# Altium PCB drive.PcbDoc
Units mm, origin at the board's own origin, x right, y up, seen from the top; angles counter-clockwise.
Board outline 29.81 x 30.08 mm, 2 copper layers (Top Layer, Bottom Layer); 56 components, 47 nets, 229 pads, 81 vias.
Unrouted connection lines stored in the file: 5.
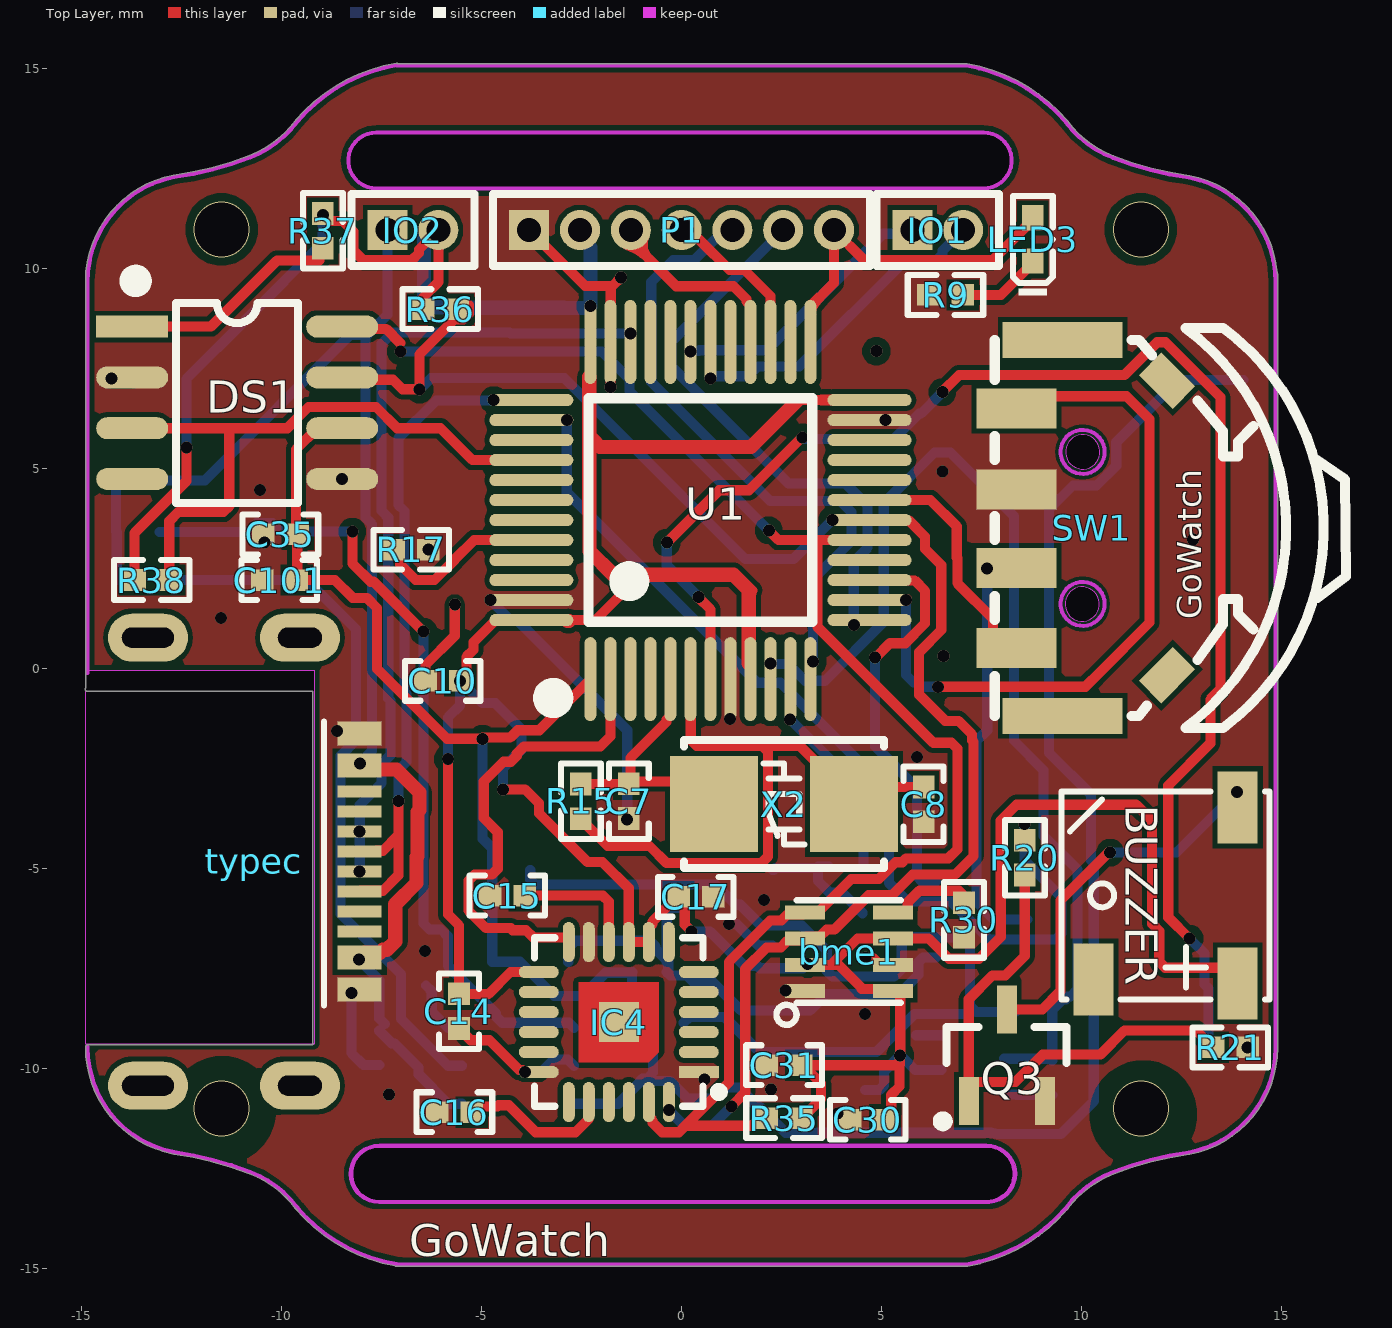
[diagram p0: Top Layer view]
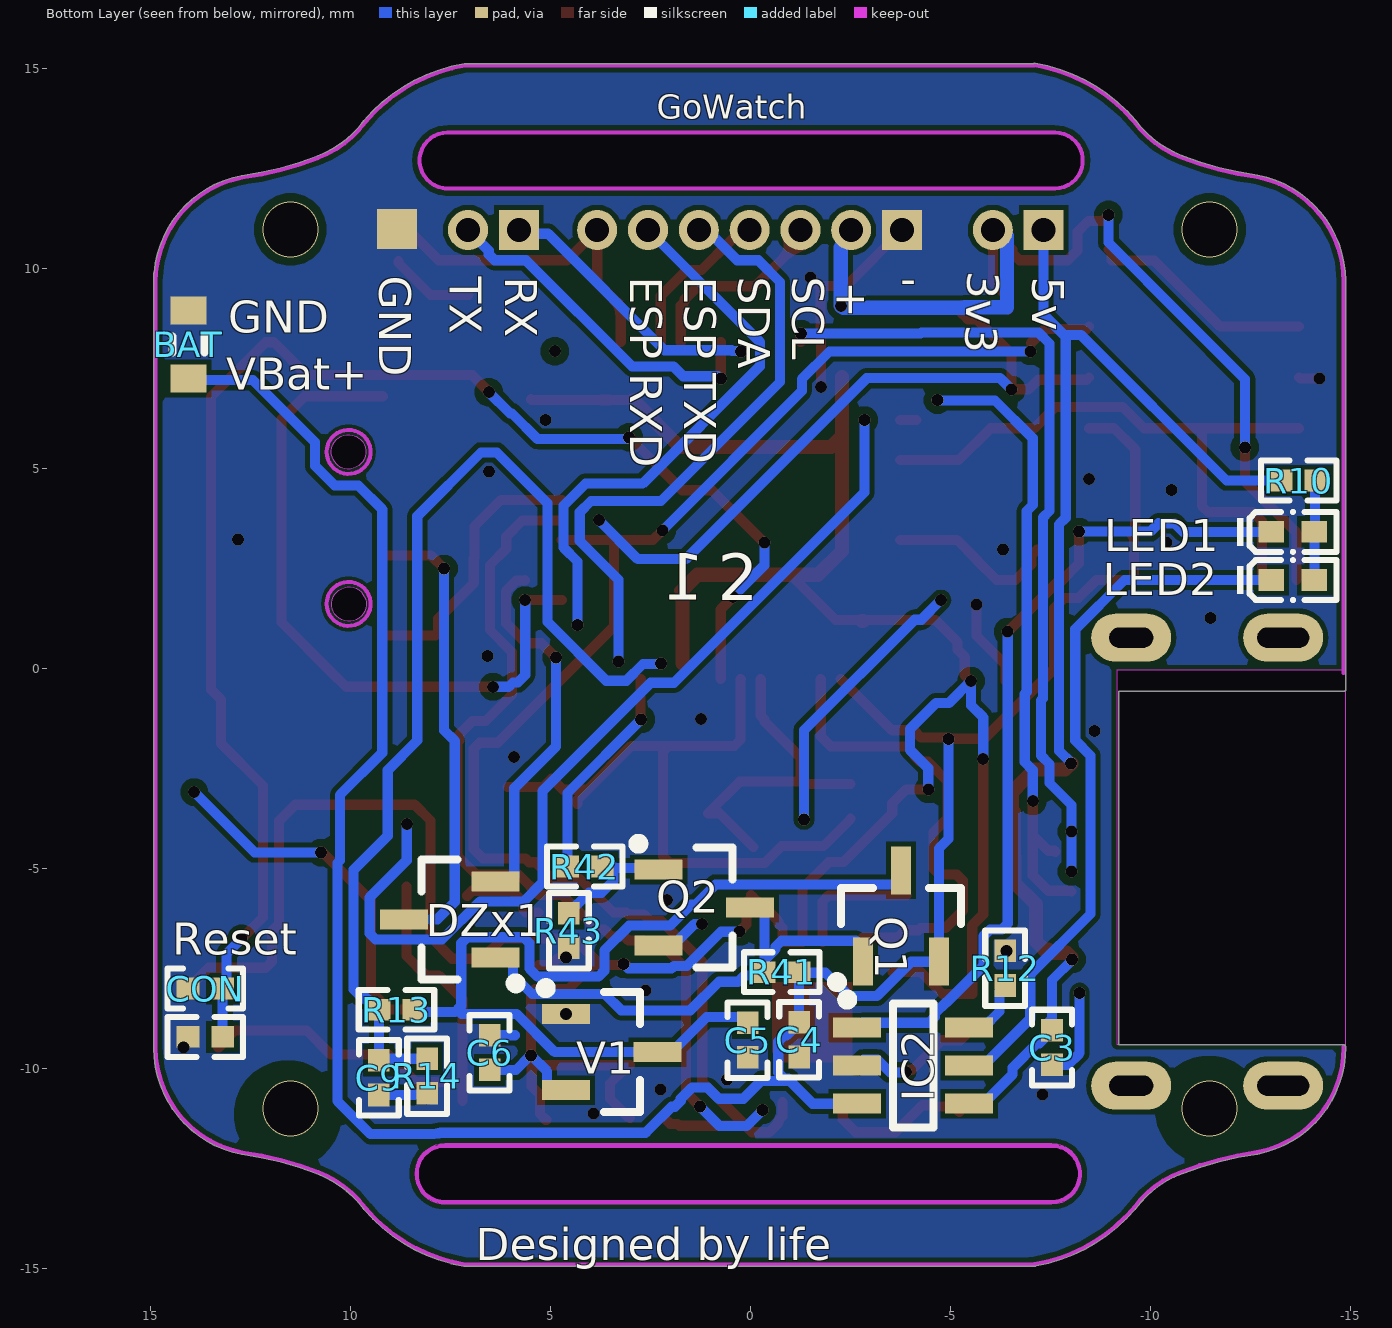
[diagram p1: Bottom Layer view, seen from below]

## Layer stack, top to bottom
Top Solder: solder mask 0.0102, Solder Resist, Dk 3.5
Top Layer: signal copper 0.0356
Dielectric 1: dielectric 0.32, FR-4, Dk 4.8
Bottom Layer: signal copper 0.0356
Bottom Solder: solder mask 0.0102, Solder Resist, Dk 3.5

## Board outline
-12.682,-12.128 cw(c-12.682,-12.128) -12.682,-12.128 cw(c-13.844,-20.451) -10.799,-12.619 ccw(c-10.78,-12.57) -10.797,-12.619 cw(c-11.691,-15.004) -9.637,-13.499 ccw(c-9.596,-13.47) -9.634,-13.503 cw(c-9.601,-13.475) -9.634,-13.502 -9.634,-13.503 ccw(c-6.425,-10.771) -7.147,-14.923 ccw(c-7.112,-14.888) -7.112,-14.938 7.132,-14.938 ccw(c7.132,-14.888) 7.157,-14.931 ccw(c6.445,-10.778) 9.649,-13.515 ccw(c9.619,-13.475) 9.659,-13.505 cw(c11.714,-15.009) 10.82,-12.625 cw(c10.828,-12.644) 10.821,-12.624 cw(c13.866,-20.456) 12.695,-12.135 ccw(c12.696,-12.085) 12.705,-12.134 ccw(c12.198,-9.472) 14.909,-9.472 ccw(c12.411,-9.471) 14.909,-9.454 14.909,9.652 ccw(c12.199,9.67) 14.909,9.67 ccw(c12.411,9.671) 14.909,9.688 14.909,9.872 ccw(c14.858,9.872) 14.899,9.902 ccw(c12.198,9.67) 12.705,12.332 ccw(c12.696,12.283) 12.702,12.333 ccw(c12.704,12.347) 12.703,12.333 12.702,12.333 cw(c13.864,20.656) 10.819,12.823 ccw(c10.805,12.788) 10.817,12.824 cw(c11.711,15.208) 9.657,13.704 ccw(c9.618,13.676) 9.654,13.707 ccw(c6.445,10.976) 7.147,15.131 ccw(c7.132,15.083) 7.132,15.133 -7.085,15.133 ccw(c-7.115,15.093) -7.123,15.142 ccw(c-6.428,10.986) -9.637,13.717 ccw(c-9.628,13.709) -9.637,13.717 ccw(c-9.599,13.684) -9.64,13.714 cw(c-11.694,15.218) -10.801,12.834 cw(c-10.815,12.87) -10.801,12.834 -10.802,12.833 cw(c-10.787,12.795) -10.801,12.834 -10.802,12.833 cw(c-13.847,20.666) -12.685,12.343 cw(c-12.689,12.367) -12.686,12.343 -12.685,12.343 ccw(c-12.679,12.292) -12.688,12.342 ccw(c-12.182,9.68) -14.892,9.705 ccw(c-14.842,9.702) -14.892,9.702 -14.892,9.698 cw(c-13.337,9.689) -14.892,9.705 -14.892,9.698 ccw(c-12.182,9.68) -14.892,9.662 -14.892,-0.482 ccw(c-14.848,-0.507) -14.848,-0.558 -9.215,-0.558 -9.215,-9.397 -14.838,-9.397 ccw(c-14.838,-9.447) -14.889,-9.447 ccw(c-12.178,-9.465) -12.685,-12.128 ccw(c-12.676,-12.078)
cut-out: -7.547,-13.372 cw(c-7.547,-12.622) -7.547,-11.872 7.604,-11.872 cw(c7.604,-11.922) 7.619,-11.874 cw(c7.634,-11.922) 7.634,-11.872 cw(c7.634,-12.622) 8.384,-12.622 cw(c7.634,-12.622) 7.714,-13.368 cw(c7.694,-13.322) 7.694,-13.372
cut-out: -7.62,12.013 cw(c-7.62,12.713) -7.62,13.413 7.531,13.413 7.561,13.413 cw(c7.561,12.713) 7.561,12.013 7.621,12.013
cut-out: -14.892,-9.377 -14.892,-0.037 -9.168,-0.037 -9.168,-9.377

## Design rules (kind name [scope] priority, off if disabled: settings)
Clearance [All] p1: gap=0.127 ignorepadtopadclearanceinfootprint=FALSE except(0.15: Arc-Arc Arc-Track Track-Track; 0.2: Arc-Via Track-Via SMDPad-Via THPad-Via Via-Fill Via-Poly Via-Region; 0.4: Via-Via)
PolygonConnect [All] p1: connectstyle=Direct reliefconductorwidth=0.254 reliefentries=4 polygonreliefangle="90 Angle" airgapwidth=0.254
RoutingVias [All] p1: holewidth=0.4 width=1 viastyle="Through Hole" minholewidth=0.3 minwidth=0.6 maxholewidth=0.711 maxwidth=1.27
SolderMaskExpansion [All] p1: expansion=0.102 istentingtop=FALSE
Width [All] p1: maxlimit=3 minlimit=0.127 preferedwidth=0.254 minimp=50.000000 maximp=50.000000 favimp=50.000000
30 further rules are at their usual default settings.

## Components (designator, comment, footprint, x,y, rotation, side; value= is the part's Value field where it differs from the comment)
BAT "0" R0603 14.04,8.11 r270 bottom
bme1 "BME280" BME280 5.333,-5.746 r180 top
BUZZER "Beep-5020" 5020BUZZER 12.11,-5.61 r0 top
C3 "105" C0402-min -7.55,-9.517 r90 bottom
C4 "105" C0402-min -1.23,-9.32 r90 bottom
C5 "104" C0402-min 0.06,-9.33 r90 bottom
C6 "104" C0402-min 6.51,-9.54 r270 bottom
C7 "20PF" C0402-min -1.309,-3.357 r90 top
C8 "20PF" C0402-min 6.06,-3.437 r90 top
C9 "104" C0402-min 9.28,-10.27 r90 bottom
C10 "104" C0402-min -6.01,-0.297 r0 top
C14 "103" C0402-min -5.555,-8.506 r270 top
C15 "104" C0402-min -4.4,-5.667 r0 top
C16 "222" C0402-min -5.72,-11.08 r0 top
C17 "104" C0402-min 0.42,-5.697 r180 top
C30 "104" C0402-min 4.61,-11.27 r0 top
C31 "475" C0402-min 2.52,-9.907 r0 top
C35 "104" C0402-min -10.07,3.363 r0 top
C101 "104" C0402-min -10.097,2.221 r0 top
CON "104" C0402-min 13.67,-7.99 r180 bottom
DS1 "DS3231-8PIN" SOP8_N -11.1,6.653 r0 top
DZx1 "BAT54C" SOT23-3N 7.51,-6.26 r90 bottom
IC2 "TP4057" SOT23-6N -4.08,-9.92 r270 bottom
IC4 "MPU6050" "QFN24 4x4_M" -1.56,-8.827 r90 top
IO1 "串口" MHDR1X2 5.78,10.973 r0 top
IO2 "5v与3.3v相联" MHDR1X2 -7.34,10.973 r0 top
LED1 "红色" LED0402 -13.415,3.427 r0 bottom
LED2 "绿色" LED0402 -13.415,2.223 r0 bottom
LED3 "RED" LED0402 8.79,10.58 r270 top
P1 "MHDR1X7" MHDR1X7 -3.8,10.973 r0 top locked
Q1 "AO3401" SOT23-3N -3.772,-6.177 r180 bottom
Q2 "9014" SOT23-3N 1.14,-5.97 r270 bottom
Q3 "SS8050" SOT23-3N 8.14,-9.657 r0 top
R9 "1K" R0402 6.66,9.35 r180 top
R10 "100k" R0402 -13.765,4.71 r0 bottom
R12 "10K" R0402 -6.38,-7.43 r270 bottom
R13 "10K" R0402 8.89,-8.52 r180 bottom
R14 "10K" R0402 8.07,-10.23 r90 bottom
R15 "1M" R0402 -2.51,-3.36 r90 top
R17 "10K" R0402 -6.805,2.98 r0 top
R20 "1K" R0402 8.59,-4.667 r270 top
R21 "10K" R0402 13.78,-9.46 r180 top
R30 "10K" R0402 7.07,-6.327 r90 top
R35 "4.7K" R0402 2.52,-11.23 r0 top
R36 "4.7K" R0402 -5.97,8.993 r180 top
R37 "4.7K" R0402 -8.96,10.901 r90 top
R38 "4.7K" R0402 -13.18,2.223 r180 top
R41 "220K" R0402 -0.74,-7.58 r180 bottom
R42 "4.7K" R0402 4.181,-4.94 r180 bottom
R43 "220K" R0402 4.53,-6.49 r270 bottom
Reset "0" R0402 13.67,-9.2 r180 bottom
SW1 "TM-2024A" LUNBO-min-out 11.5,3.723 r270 top locked
typec "typec-16p-new" type-c-16p-new -11.627,-4.944 r270 top locked
U1 "STM32F103C8" "LQFP48 7X7_M" 0.481,3.973 r0 top locked
V1 "XC6206P332MR" SOT23-3N 3.457,-9.58 r270 bottom
X2 "8Mhz" "OSC 5032-2P" 2.57,-3.377 r180 top

## Footprints (in the part's own frame and the unit in brackets; to place one, negate y for a bottom-side part, rotate by r counter-clockwise, add the part's x,y. Pads: shape width x height; smd on the part's side, far side on the other; paste and mask are expansions set on the pad)
5020BUZZER [mm]
  rect 1x1.8 smd: 1(1.8,-2.25) 2(1.8,2.152) 3(-1.8,-2.151)
  silkscreen extent -2.6,-2.65 2.6,2.55, body extent -2.6,-2.7 2.6,2.5, height 2
BME280 [mm]
  rect 1x0.351 smd: 1(2.243,2.301) 2(2.243,1.651) 3(2.243,0.991) 4(2.243,0.341) 5(0.043,0.341) 6(0.043,0.991) 7(0.043,1.651) 8(0.043,2.301)
  silkscreen extent -0.16,0.04 2.95,3.15, body extent -0.15,0.05 2.35,2.55, height 0.93
C0402-min [mm]
  rect 0.566x0.54 smd paste-100 mask+0.051: 1(-0.381,0) 2(0.485,0)
  silkscreen extent -0.89,-0.5 1,0.5
LED0402 [mm]
  rect 0.636x0.54 smd paste-100 mask+0.051: 1(-0.695,0) 2(0.381,0)
  silkscreen extent -1.24,-0.54 1.23,0.54
"LQFP48 7X7_M" [mm]
  oval 0.3x2.1 smd: 1(-2.75,-4.227) 2(-2.25,-4.227) 3(-1.75,-4.227) 4(-1.25,-4.227) 5(-0.75,-4.227) 6(-0.25,-4.227) 7(0.25,-4.227) 8(0.75,-4.227) 9(1.25,-4.227) 10(1.75,-4.227) 11(2.25,-4.227) 12(2.75,-4.227) 25(2.75,4.202) 26(2.25,4.202) 27(1.75,4.202) 28(1.25,4.202) 29(0.75,4.202) 30(0.25,4.202) 31(-0.25,4.202) 32(-0.75,4.202) 33(-1.25,4.202) 34(-1.75,4.202) 35(-2.25,4.202) 36(-2.75,4.202)
  oval 2.1x0.3 smd: 13(4.227,-2.75) 14(4.227,-2.25) 15(4.227,-1.75) 16(4.227,-1.25) 17(4.227,-0.75) 18(4.227,-0.25) 19(4.227,0.25) 20(4.227,0.75) 21(4.227,1.25) 22(4.227,1.75) 23(4.227,2.25) 24(4.227,2.75) 37(-4.227,2.75) 38(-4.227,2.25) 39(-4.227,1.75) 40(-4.227,1.25) 41(-4.227,0.75) 42(-4.227,0.25) 43(-4.227,-0.25) 44(-4.227,-0.75) 45(-4.227,-1.25) 46(-4.227,-1.75) 47(-4.227,-2.25) 48(-4.227,-2.75)
  silkscreen extent -3.93,-4.95 2.79,2.79, body extent -4.5,-4.5 4.5,4.5, height 1.45
LUNBO-min-out [mm]
  rect 1x2 smd: 1(-2.788,-3.115) 2(3.197,-3.115) 3(-0.762,-3.115) 4(1.197,-3.115)
  rect 0.9x3 smd: 5(-4.503,-1.964) 6(4.897,-1.964)
  rect 1.2x0.8 smd rot 45: 7(-3.483,0.646)
  rect 1.2x0.8 smd rot 135: 8(3.877,0.646)
  Keep-Out Layer board cut-out: -1.274,-1.43 -1.348,-1.22 -1.517,-1.076 -1.736,-1.035 -1.945,-1.109 -2.09,-1.278 -2.13,-1.497 -2.13,-1.497 -2.056,-1.706 -1.887,-1.851 -1.669,-1.891 -1.459,-1.817 -1.315,-1.648 -1.274,-1.43
  Keep-Out Layer board cut-out: 2.529,-1.44 2.455,-1.23 2.286,-1.086 2.068,-1.045 1.858,-1.119 1.714,-1.288 1.673,-1.507 1.673,-1.507 1.747,-1.717 1.916,-1.861 2.135,-1.902 2.344,-1.827 2.489,-1.658 2.529,-1.44
  Keep-Out Layer circle w0.025: c2.097,-1.464 r0.55
  Keep-Out Layer circle w0.025: c-1.703,-1.464 r0.55
  Keep-Out Layer circle w0.1: c2.097,-1.464 r0.55
  Keep-Out Layer circle w0.1: c-1.703,-1.464 r0.55
  silkscreen extent -4.8,-3.66 5.2,5.12
MHDR1X2 [mm] "Connector; Header; 2 Position"
  rect 1x1 hole 0.6: 1(0,0)
  round 1 hole 0.6: 2(1.27,0)
  silkscreen extent -0.9,-0.9 2.17,0.9
MHDR1X7 [mm] "Connector; Header; 7 Position"
  rect 1x1 hole 0.6: 1(0,0)
  round 1 hole 0.6: 2(1.27,0) 3(2.54,0) 4(3.81,0) 5(5.08,0) 6(6.35,0) 7(7.62,0)
  silkscreen extent -0.9,-0.9 8.52,0.9
"OSC 5032-2P" [mm]
  rect 2.2x2.4 smd: 1(-1.75,0) 2(1.75,0)
  silkscreen extent -2.5,-1.6 2.5,1.6, body extent -2.5,-1.6 2.5,1.6, height 0.86
"QFN24 4x4_M" [mm]
  rect 0.3x1 smd: 1(-1.25,-2)
  oval 0.3x1 smd: 2(-0.75,-2) 3(-0.25,-2) 4(0.25,-2) 5(0.75,-2) 6(1.25,-2) 13(1.25,2) 14(0.75,2) 15(0.25,2) 16(-0.25,2) 17(-0.75,2) 18(-1.25,2)
  oval 1x0.3 smd: 7(2,-1.25) 8(2,-0.75) 9(2,-0.25) 10(2,0.25) 11(2,0.75) 12(2,1.25) 19(-2,1.25) 20(-2,0.75) 21(-2,0.25) 22(-2,-0.25) 23(-2,-0.75) 24(-2,-1.25)
  rect 1x1 smd: 25(0,0)
  Top Layer region: -1,1 1,1 1,-1 -0.75,-1 -1,-0.75
  silkscreen extent -2.11,-2.6 2.11,2.11, body extent -2.01,-2.01 2.01,2.01, height 0.95
R0402 [mm]
  rect 0.566x0.54 smd paste-100 mask+0.051: 1(-0.381,0) 2(0.485,0)
  silkscreen extent -0.89,-0.5 1,0.5
R0603 [mm] "Chip Resistor, 2-Leads, Body 1.60x0.80mm, IPC Medium Density"
  rect 0.7x0.9 smd: 1(-0.85,0) 2(0.85,0)
  silkscreen extent -0.2,-0.4 0.2,0.4, body extent -0.78,-0.43 0.77,0.42, height 0.45
SOP8_N [mm]
  rect 1.8x0.55 smd: 1(-2.625,1.905)
  oval 1.8x0.55 smd: 2(-2.625,0.635) 3(-2.625,-0.635) 4(-2.625,-1.905) 5(2.625,-1.905) 6(2.625,-0.635) 7(2.625,0.635) 8(2.625,1.905)
  silkscreen extent -2.69,-2.5 1.52,3.2, body extent -3,-2.5 3,2.5, height 1.9
SOT23-3N [mm]
  rect 0.5x1.2 smd: 1(-0.95,-1.143) 2(0.95,-1.143) 3(0,1.143)
  silkscreen extent -1.72,-1.78 1.5,0.7, body extent -1.5,-1.2 1.5,1.2, height 1.05
SOT23-6N [mm]
  rect 0.5x1.2 smd: 1(-0.95,-1.4) 2(0,-1.4) 3(0.95,-1.4) 4(0.95,1.4) 5(0,1.4) 6(-0.95,1.4)
  silkscreen extent -1.78,-1.78 1.55,0.51, body extent -1.5,-1.4 1.5,1.4, height 1.15
type-c-16p-new [mm]
  rect 0.6x1.1 smd paste-100 mask+0.05: 1(-3.327,3.59) 2(-2.527,3.59) 11(2.273,3.59) 12(3.073,3.59)
  rect 0.3x1.1 smd paste-100 mask+0.05: 3(-1.877,3.59) 4(-1.377,3.59) 5(-0.877,3.59) 6(-0.377,3.59) 7(0.123,3.59) 8(0.623,3.59) 9(1.123,3.59) 10(1.623,3.59)
  oval 1.2x2 hole 0.5 slot 1.1 at 90 deg: 13(-5.727,2.097) 14(5.473,2.097)
  oval 1.2x2 hole 0.5 slot 1.3 at 90 deg: 15(-5.727,-1.703) 16(5.473,-1.703)
  silkscreen extent -3.63,2.7 3.47,2.7, body extent -5.83,-3.5 5.57,3.05, height 1.59

## Part data
BAT R9 R10 R12 R13 R14 R15 R17 R20 R21 R30 R35 R36 R37 R38 R41 R42 R43 Reset: library part R, "贴片电阻", BOM名称=贴片电阻, 学习资源=www.ooocke.com, 版权归属=源创客
bme1: "气压，湿度，温度传感器"
BUZZER: "贴片蜂鸣器5020最小封装"
C3 C4 C5 C6 C7 C8 C9 C10 C14 C15 C16 C17 C30 C31 C35 C101 CON: library part C, "无极性贴片电容", BOM名称=无极性贴片电容, 学习资源=www.ooocke.com, 版权归属=源创客
  C5 C6 C7 C8 C9 C10 C30 C31 C101 CON: 材质=X7R
DZx1: "双肖特基，共阴极"
IC2: library part TP4057/4059, "500mA/600mA锂电池充电管理IC"
IC4: "陀螺仪"
IO1 IO2: library part "Header 2", "Header, 2-Pin", LatestRevisionDate=17-Jul-2002, LatestRevisionNote="Re-released for DXP Platform.", Publisher="Altium Limited"
LED1 LED2 LED3: library part LED-SMD, "贴片LED", BOM名称=贴片LED, 学习资源=www.ooocke.com, 版权归属=源创客
P1: "Header, 7-Pin", LatestRevisionDate=17-Jul-2002, LatestRevisionNote="Re-released for DXP Platform.", Publisher="Altium Limited"
Q1: library part SI2301, "P沟道场效应管", BOM名称=P沟道场效应管, 学习资源=www.ooocke.com, 版权归属=源创客
Q2: library part 9014-SMD, "低噪放大-NPN型", BOM名称=低噪放大-NPN型, 学习资源=www.ooocke.com, 属性="50V 0.1A 0.4W 150MHZ", 版权归属=源创客
Q3: library part 8050-SMD, "高频放大-NPN型", BOM名称=高频放大-NPN型, 学习资源=www.ooocke.com, 属性="40V 1.5A 1W 100MHZ", 版权归属=源创客
SW1: library part lunbo-min, JLCPCB Part Class="Extended Part", LCSC Part Name=四脚两档拨轮开关TM-2024A, Manufacturer="XKB Connection(中国星坤)", Add into BOM=yes, Convert to PCB=yes, Datasheet=https://atta.szlcsc.com/upload/public/pdf/source/20211011/7A4DB3DC37E7D5823B6D92C66ED3191E.pdf, Device=TM-2024A, Manufacturer Part=TM-2024A, Supplier=LCSC, Supplier Footprint=SMD, Supplier Part=C561480, Symbol=TM-2024A
U1: "Flaah:64/RAM:20/IO:36", BOM名称=32位STM单片机, 学习资源=www.ooocke.com, 版权归属=源创客
V1: "低压差线性稳压芯片", BOM名称=低压差线性稳压芯片, 学习资源=www.ooocke.com, 版权归属=源创客
X2: library part XTAL-2P, "2脚无源脚晶振", BOM名称=2脚无源脚晶振, 学习资源=www.ooocke.com, 版权归属=源创客, 负载电容=CL20pF

## Free pads (board coordinates)
  rect 1x1 smd far side: 2(8.82,11)

## Via types
v1: diameter 0.3, hole 0.3, Top Layer to Bottom Layer, 77 vias
v2: diameter 1.4, hole 1.35, Top Layer to Bottom Layer, 4 vias

## Nets (pads, with @x,y where several pads share a name; then routed paths per layer and width w, separated by ;. In a path a pad name is that pad's centre, name@x,y a point inside that pad or via, vN(x,y) a via of type N, cw(c..) or ccw(c..) an arc to the next point about the centre after c; other vN are vias at no path point)
+3.3V: bme1.2 bme1.6 bme1.8 BUZZER.1 C6.2 C10.2 C14.1 C17.2 C30.2 C31.2 IC4.8 IC4.9 IC4.13 IO2.2 P1.2 R35.2 R36.2 R37.2 R38.2 U1.9 U1.24 U1.36 U1.48 V1.2 | length 106.8
  Top Layer w0.254: R38.2 -13.665,3.401 -12.37,4.695 v1(-12.37,5.541) ; v1(-8.96,11.355) -8.96,11.342 -8.817,11.199 -8.459,11.199 -8.191,10.931 -8.191,10.464 -7.945,10.219 -6.735,10.219 -6.555,10.399 -6.555,10.488 IO2.2 ; R36.2 -6.455,9.285 -6.07,9.67 IO2.2 ; IO2.2@-6.07,11.002 IO2.2 ; v1(-5.83,-2.257) -5.83,-6.135 -5.555,-6.41 C14.1 -4.814,-8.125 -4.266,-7.577 IC4.13 ; v1(-5.525,-0.297) -5.513,-0.297 -5.37,-0.154 -5.37,0.302 -5.191,0.481 -5.191,0.666 -4.655,1.202 -4.634,1.223 U1.48 -2.834,1.223 -2.811,1.246 U1.48@-2.806,1.246 ; v1(-4.46,-3.01) -3.902,-3.01 -3.556,-3.356 -3.556,-3.607 -2.334,-4.829 -1.965,-4.829 -1.31,-5.484 IC4.9 IC4.8 -0.81,-6.465 -0.714,-6.369 -0.714,-6.31 -0.244,-5.84 -0.208,-5.84 -0.023,-5.655 C17.2 ; U1.48@-2.733,1.223 -2.14,1.223 -1.01,2.353 ; C17.2@-0.023,-5.726 0.091,-5.84 0.091,-6.389 0.26,-6.558 v1(0.26,-6.57) ; 1.7,1.963 1.777,1.963 ; 2.921,6.723 U1.24 5.459,6.723 U1.24@5.48,6.744 ; R35.2 3.017,-11.23 3.5,-10.748 3.5,-10.364 3.185,-10.05 3.148,-10.05 C31.2 5.451,-9.907 5.457,-9.901 ; v1(3.164,-7.379) 3.109,-7.379 bme1.2 3.797,-7.397 3.935,-7.397 4.526,-7.989 ; 3.797,-7.349 4.409,-6.737 bme1.6 6.187,-6.737 6.695,-7.245 7.445,-7.245 7.989,-6.701 7.989,-3.789 8.384,-3.394 11.374,-3.394 11.773,-3.793 11.773,-6.374 11.953,-6.555 11.953,-7.321 12.102,-7.47 13.538,-7.47 13.91,-7.843 BUZZER.1 ; 4.516,-7.999 bme1.8@5.242,-7.999 ; C30.2 5.107,-11.27 5.25,-11.127 5.25,-10.647 5.457,-10.441 5.457,-9.901 ; bme1.8 bme1.8@5.242,-7.999 ; bme1.8@5.242,-7.999 5.378,-7.999 5.475,-8.096 v1(5.475,-9.659) 5.466,-9.668 5.466,-9.892 5.457,-9.901
  Top Layer w0.354: U1.48@-2.84,1.196 U1.48@-2.802,1.196 ; -2.3,6.992 -2.3,3.903 -2.295,3.898 -2.295,2.949 -1.699,2.353 -1.01,2.353 1.31,2.353 1.7,1.963 ; -2.3,7.027 -2.3,7.297 U1.36@-2.296,7.302 ; -2.207,5.733 -2.026,5.551 1.75,5.551 2.921,6.723 ; U1.9@1.69,0.143 1.69,1.893 1.7,1.903
  Bottom Layer w0.254: v1(-12.37,5.541) -12.37,7.249 -10.851,8.769 -8.96,10.66 v1(-8.96,11.355) ; v1(-5.83,-2.257) -5.83,-1.211 -5.525,-0.906 v1(-5.525,-0.297) -4.969,-0.854 -4.647,-0.854 -3.995,-1.506 -3.995,-2.019 -4.455,-2.479 -4.455,-3.005 v1(-4.46,-3.01) ; v1(0.26,-6.57) 0.724,-6.57 1.578,-7.424 1.901,-7.424 1.96,-7.483 3.047,-7.483 3.152,-7.379 v1(3.164,-7.379) ; V1.2 4.95,-10.53 5.073,-10.407 5.073,-10.061 v1(5.475,-9.659) ; v1@5.475,-9.665 5.494,-9.665 5.853,-10.025 C6.2
  Bottom Layer w0.354: IO2.2@-6.428,10.821 -6.428,9.041 -5.378,9.041 -5.367,9.03 -2.944,9.03 -2.934,9.02 -2.334,9.02 -2.29,9.064 v1@-2.271,9.064 ; P1.2 -2.53,10.798 -2.269,10.537 v1@-2.269,9.085
  other v1: -2.269,9.073
+5: C3.2 IC2.4 IO2.1 R10.2 typec.2 typec.11 | length 32.3
  Top Layer w0.354: typec.11 -7.913,-7.095 -7.529,-7.095 -7.456,-7.022 -7.361,-7.022 -7.15,-6.811 -7.15,-5.882 -6.615,-5.347 -6.615,-4.705 -6.593,-4.683 -6.593,-3.575 -6.542,-3.524 -6.542,-3.088 -6.851,-2.779 -7.119,-2.511 -7.878,-2.511 v1(-8.03,-2.36)
  Bottom Layer w0.254: R10.2@-13.275,4.71 -11.912,4.71 -8.27,8.352 -7.843,8.352 ; v1(-8.052,-7.263) -8.052,-7.275 -7.55,-7.777 -7.55,-8.74 C3.2@-7.41,-8.88 ; v1(-8.03,-2.36) -8.03,-2.348 -7.726,-2.044 -7.726,3.614 -7.892,3.78 -7.892,8.303 -7.843,8.352 ; C3.2@-7.55,-9.045 -7.234,-9.361 -7.175,-9.361 -6.564,-9.972 -6.564,-10.136 -5.83,-10.87 IC2.4 ; IO2.1@-7.34,10.913 -7.34,8.855 -7.843,8.352
ADC: C9.2 R13.1 R14.2 U1.10 | length 26.8
  Bottom Layer w0.254: v1(2.231,0.132) 2.24,0.124 2.678,0.124 3.095,-0.294 3.595,-0.294 5.064,1.176 5.064,4.142 6.332,5.41 6.728,5.41 8.319,3.818 8.319,-1.789 9.059,-2.529 9.059,-4.169 9.911,-5.021 9.911,-8.009 9.731,-8.189 9.622,-8.189 9.622,-8.262 9.542,-8.262 9.284,-8.52 R13.1 9.275,-8.524 9.275,-9.781 C9.2 ; R14.2 C9.2@9.24,-9.745
beep: R20.1 U1.38 | length 23.7
  Top Layer w0.254: U1.38@-4.16,6.223 U1.38
  Bottom Layer w0.254: v1(-2.86,6.223) -2.86,4.418 1.903,-0.345 2.481,-0.345 5.191,-3.055 5.191,-5.344 5.665,-5.817 6.755,-5.817 7.702,-6.764 9.358,-6.764 9.507,-6.615 9.507,-5.712 8.582,-4.787 v1(8.582,-3.871)
BOOT0: R17.1 U1.44 | length 4.3
  Top Layer w0.254: R17.1 -7.173,2.98 -7.03,2.837 -7.03,2.614 -6.639,2.223 -6.165,2.223 -5.671,2.717 -5.671,2.729 -5.177,3.223 U1.44
BOOT1: U1.20
ESP_RXD: P1.6 U1.13 | length 14
  Bottom Layer w0.254: P1.6 -0.246,8.177 -0.246,7.564 2.685,4.633 4.115,4.633 4.66,4.087 4.66,3.033 4.314,2.687 v1(4.314,1.101)
  other v1: 4.314,1.101
ESP_TXD: P1.5 U1.12 | length 15.6
  Bottom Layer w0.254: P1.5 1.078,10.973 0.811,10.706 0.809,10.706 0.322,10.219 -0.204,10.219 -0.75,9.673 -0.75,7.173 2.224,4.199 3.977,4.199 4.256,3.92 4.256,3.2 3.293,2.236 v1(3.293,0.183)
GND: BAT.1 bme1.1 bme1.7 C3.1 C4.1 C5.1 C6.1 C7.1 C8.1 C9.1 C10.1 C14.2 C15.1 C16.1 C17.1 C30.1 C31.1 C35.1 C101.1 CON.1 DS1.2 DS1.5 IC2.2 IC4.1 IC4.11 IC4.18 P1.1 pad.2 Q2.2 Q3.2 R9.2 R12.1 R14.1 R17.2 R21.1 R30.1 R43.2 Reset.1 SW1.3 typec.1 typec.12 U1.8 U1.23 U1.35 U1.47 V1.1 | length 25.4
  Top Layer w0.254: v1(-14.24,7.26) -13.753,7.26 DS1.2 ; C10.1 -6.391,0.099 -5.66,0.83 v1(-5.66,1.61) ; C14.2 -5.263,-9.283 -4.793,-9.283 -4.051,-10.025 -3.974,-10.025 -3.931,-10.068 -3.919,-10.056 IC4.18@-3.9,-10.056 ; v1(-3.9,-10.077) IC4.18 ; P1.1 -2.402,9.575 -1.718,9.575 ; v1(-1.773,7.051) -1.771,7.053 -1.771,8.172 -1.76,8.183 -1.76,9.533 -1.718,9.575 ; v1(-1.51,9.783) -1.718,9.575 ; v1(4.606,-7.215) 4.614,-7.224 4.792,-7.224 4.965,-7.397 bme1.7
  Bottom Layer w0.254: v1(-8.24,-8.097) -8.24,-9.604 -7.946,-9.898 C3.1 ; v1(-4.77,1.723) -4.279,1.232 -4.115,1.232 -1.35,-1.533 v1(-1.35,-3.767) ; v1(-3.9,-10.077) -3.888,-10.077 -3.876,-10.088 -3.507,-10.088 -3.184,-9.766 -2.834,-9.766 IC2.2 ; v1(1.199,-6.371) 1.208,-6.38 1.393,-6.38 1.933,-6.92 Q2.2 ; 5.872,-9.159 C6.1 ; R14.1 8.1,-10.641 8.375,-10.641 8.385,-10.651 C9.1
  other v1: 3.909,-11.118 -7.31,-10.637 2.24,-10.51 0.582,-10.27 14.161,-9.46 4.6,-8.63 2.61,-8.036 -6.406,-7.057 2.07,-5.78 5.9,-2.197 -8.607,-1.557 1.221,-1.251 6.56,0.323 -11.51,1.27 -6.32,2.98 -10.415,3.165 12.796,3.241 -10.536,4.473 -8.475,4.748 6.53,4.933 5.11,6.223
INT: DS1.3 R38.1 U1.40 | length 15.8
  Top Layer w0.254: DS1.3 -11.3,6.018 ; R38.1 -12.799,3.696 -12.573,3.922 -11.449,3.922 -11.3,4.071 -11.3,6.018 ; U1.40 -5.22,5.223 -6.015,6.018 -7.102,6.018 -7.631,6.547 -9.319,6.547 -9.848,6.018 -11.3,6.018
IO1: IO1.2 U1.30 | length 8.8
  Top Layer w0.254: v1(0.731,7.262) U1.30
  Bottom Layer w0.254: v1(0.731,7.262) 0.743,7.262 0.798,7.316 1.673,7.316 1.922,7.565 2.953,7.565 5.607,10.219 6.385,10.219 6.534,10.368 6.534,10.453 6.992,10.911 IO1.2@6.992,10.944
IO2: IO1.1 U1.31 | length 6.8
  Bottom Layer w0.254: v1(0.231,7.938) 0.24,7.947 0.443,7.947 0.464,7.969 2.138,7.969 5.048,10.879 5.686,10.879 IO1.1
IO3: U1.32
IO4: U1.33
MPU6050_INT: IC4.12 U1.2 | length 11.9
  Top Layer w0.254: IC4.12 -2.81,-6.733 -2.831,-6.711 -3.7,-6.711 -3.88,-6.531 -4.21,-6.531 -4.261,-6.48 -4.88,-6.48 -5.318,-6.042 -5.318,-5.292 -5.169,-5.143 -4.735,-5.143 -4.586,-4.994 -4.586,-4.079 -4.937,-3.728 -4.937,-2.812 -4.444,-2.319 -4.258,-2.319 -4.109,-2.171 -4.109,-2.122 -3.922,-1.935 -2.019,-1.935 -1.769,-1.685 U1.2
Netbme1_5: bme1.5 R30.2 | length 2.2
  Top Layer w0.254: bme1.5 5.615,-6.087 5.663,-6.038 5.663,-5.836 5.954,-5.545 6.945,-5.545 R30.2@7.07,-5.67
NetBUZZER_2: BUZZER.2 Q3.3 | length 9.3
  Top Layer w0.254: Q3.3 9.026,-8.514 9.48,-8.06 9.48,-5.79 v1@10.69,-4.58
  Bottom Layer w0.254: v1(10.726,-4.59) 12.384,-4.59 v1(13.896,-3.078)
NetC15_2: C15.2 IC4.10 | length 3.2
  Top Layer w0.254: C15.2 -1.959,-5.667 -1.81,-5.816 IC4.10
NetC16_2: C16.2 IC4.20 | length 3.8
  Top Layer w0.254: C16.2 -5.092,-10.937 -4.592,-10.937 -4.562,-10.907 -4.308,-10.907 -3.634,-11.581 -2.643,-11.581 -2.319,-11.257 -2.319,-10.836 IC4.20
NetDS1_1: DS1.1 R37.1 | length 5.7
  Top Layer w0.254: DS1.1 -11.758,8.558 -10.107,10.209 -9.04,10.209 -9.04,10.409 R37.1@-8.96,10.489
NetDZx1_1: DZx1.1 Q1.1 Q2.3 R41.1 | length 12.9
  Bottom Layer w0.254: Q1.1 -2.822,-6.97 -2.648,-6.796 -0.787,-6.796 -0.638,-6.945 -0.638,-7.004 -0.322,-7.32 -0.322,-7.543 R41.1 -0.277,-7.662 0.142,-7.662 0.3,-7.82 0.775,-7.82 1.492,-8.536 3.223,-8.536 3.634,-8.126 5.451,-8.126 5.927,-7.65 5.927,-7.333 6.05,-7.21 DZx1.1 ; R41.1@-0.359,-7.32 -0.359,-6.093 -0.236,-5.97 Q2.3
NetIC2_1: IC2.1 LED1.2 | length 20.9
  Top Layer w0.254: v1(-8.22,3.433) -8.22,2.637 -7.764,2.181 -7.689,2.181 v1(-6.441,0.933)
  Bottom Layer w0.254: LED1.2 -10.827,3.427 -10.612,3.642 -10.217,3.642 -10.008,3.433 v1@-8.232,3.433 ; v1(-6.441,0.933) -6.441,-6.363 -6.292,-6.512 -6.005,-6.512 -5.833,-6.684 -5.833,-7.418 -4.931,-8.32 -4.921,-8.32 -4.626,-8.615 -4.626,-8.698 -4.477,-8.847 -2.803,-8.847 IC2.1
NetIC2_5: IC2.5 LED2.2 | length 17.9
  Bottom Layer w0.254: LED2.2 -9.362,2.223 -8.13,0.991 -8.13,-1.786 -8.513,-2.17 -8.513,-6.127 -7.006,-7.634 -7.006,-8.744 -5.83,-9.92 IC2.5
NetIC2_6: IC2.6 R12.2 | length 1.6
  Bottom Layer w0.254: R12.2 -6.237,-8.058 -6.237,-8.563 -5.83,-8.97 IC2.6
NetLED1_1: LED1.1 LED2.1 R10.1 | length 2.5
  Bottom Layer w0.254: R10.1@-14.141,4.71 -14.126,4.695 -14.126,3.442 LED1.1 LED2.1
NetLED3_2: LED3.2 R9.1 | length 2.1
  Top Layer w0.254: R9.1 7.989,9.35 8.79,10.151 LED3.2
NetQ2_1: Q2.1 R42.2 R43.1 | length 3.2
  Bottom Layer w0.254: Q2.1 2.313,-5.02 2.353,-4.98 R42.2@3.42,-4.98 ; R42.2 3.42,-4.94 3.42,-5.299 3.714,-5.594 4.028,-5.594 4.53,-6.096 R43.1
NetQ3_1: Q3.1 R20.2 R21.2 | length 13
  Top Layer w0.254: Q3.1 Q3.1@7.19,-10.45 ; 8.59,-5.444 8.59,-7.178 8.108,-7.66 7.785,-7.66 7.19,-8.255 7.19,-10.327 Q3.1@7.19,-10.45 ; R21.2 13.283,-9.46 13.14,-9.317 13.14,-9.304 12.875,-9.04 11.08,-9.04 10.478,-9.641 9.039,-9.641 8.354,-10.327 7.313,-10.327 Q3.1@7.19,-10.45
NRST: CON.2 Reset.2 U1.7 | length 37.3
  Top Layer w0.254: v1(-0.359,3.157) 0.953,4.469 1.696,4.469 v1@3,5.773 ; v1(0.43,1.803) 0.43,1.791 0.731,1.49 U1.7 ; v1(6.53,6.92) 6.53,6.932 6.944,7.347 11.079,7.347 11.9,8.167 12.11,8.167 13.48,6.797 13.48,-0.51 13.23,-0.76 13.23,-1.86 12.177,-2.913 12.177,-6.207 v1(12.71,-6.74)
  Bottom Layer w0.254: v1(-0.359,3.157) -0.359,2.592 v1(0.43,1.803) ; v1(3.029,5.787) 3.042,5.787 3.083,5.746 5.308,5.746 5.949,6.388 5.998,6.388 v1(6.53,6.92) ; v1(12.71,-6.74) 13.085,-7.116 13.085,-7.89 CON.2 Reset.2
OSC32_IN: U1.3
OSC32_OUT: U1.4
OSC_IN: C7.2 R15.2 U1.5 X2.2 | length 8.3
  Top Layer w0.254: R15.2 -2.508,-2.874 -1.323,-2.874 -1.266,-2.817 -1.266,-2.223 -0.365,-1.321 -0.365,-1.282 -0.365,-1.262 -0.269,-1.166 U1.5 ; C7.2@-1.166,-2.817 0.26,-2.817 1.05,-3.607 0.762,-3.607 X2.2@-0.08,-4.45
OSC_OUT: C8.2 R15.1 U1.6 X2.1 | length 16.6
  Top Layer w0.254: R15.1 -2.51,-3.754 -1.839,-4.425 -0.791,-4.425 -0.362,-4.854 2.002,-4.854 2.174,-4.682 2.174,-2.072 2.025,-1.923 ; U1.6 0.24,-0.263 0.24,-1.774 0.389,-1.923 2.025,-1.923 ; X2.1 4.32,-3.277 X2.1@4.064,-3.021 ; C8.2 5.175,-2.952 4.96,-2.737 4.676,-3.021 X2.1@4.064,-3.021 ; 2.025,-1.923 2.966,-1.923 X2.1@4.064,-3.021
PB12: LED3.1 P1.7 U1.25 | length 8.8
  Top Layer w0.254: U1.25 3.231,9.062 3.82,9.651 P1.7 4.574,10.219 7.782,10.219 8.79,11.227 LED3.1
PB14: P1.4 U1.27 | length 3.9
  Top Layer w0.254: P1.4@0.212,10.973 0.479,10.706 0.481,10.706 1.214,9.973 1.583,9.973 2.231,9.325 U1.27
PB15: P1.3 U1.28 | length 5
  Top Layer w0.254: P1.3@-1.53,10.973 -0.126,9.569 1.308,9.569 1.635,9.242 1.635,9.183 1.731,9.087 U1.28
PWR_ON: R42.1 U1.11 | length 5.4
  Top Layer w0.254: U1.11 2.74,-0.263 U1.11@2.74,-1.234
  Bottom Layer w0.254: v1(2.721,-1.259) 4.562,-3.1 R42.1
SCL2: bme1.4 DS1.8 IC4.23 R35.1 U1.17 | length 39.9
  Top Layer w0.254: DS1.8 -8.418,8.501 -7.377,8.501 -7.02,8.145 ; IC4.23 -0.81,-11.189 -0.714,-11.285 -0.714,-11.344 -0.477,-11.581 -0.055,-11.581 0.105,-11.422 ; R35.1 1.996,-11.373 1.81,-11.373 1.762,-11.422 0.105,-11.422 ; v1(2.19,3.463) 2.43,3.223 3.404,3.223 U1.17 ; 3.404,3.127 3.404,1.056 6.305,-1.845 6.759,-1.845 6.908,-1.994 6.908,-4.509 6.68,-4.737 5.62,-4.737 5.525,-4.831 5.357,-4.831 4.937,-5.251 4.25,-5.251 3.415,-6.087 bme1.4 3.042,-6.135 2.657,-6.135 2.503,-6.289 2.228,-6.289 1.194,-7.324 1.194,-10.332 0.105,-11.422
  Bottom Layer w0.254: v1(-7.011,7.938) -1.986,7.938 -1.296,7.248 -1.296,6.949 v1(2.19,3.463)
SDA2: bme1.3 DS1.7 IC4.24 R36.1 U1.18 | length 40.6
  Top Layer w0.254: DS1.7 -8.418,7.231 -7.205,7.231 -6.966,6.992 -6.549,6.992 v1(-6.54,6.983) -6.54,7.865 -5.666,8.739 -5.447,8.739 -5.385,8.801 -5.307,8.879 R36.1@-5.307,9.098 ; v1(1.256,-10.945) 1.256,-10.932 1.602,-10.586 1.602,-7.498 2.135,-6.965 2.488,-6.965 2.667,-6.785 3.042,-6.785 3.138,-6.689 3.463,-6.689 3.636,-6.516 3.826,-6.516 4.687,-5.655 5.273,-5.655 5.787,-5.141 6.848,-5.141 7.312,-4.676 7.312,-1.826 7.27,-1.784 7.27,-1.636 6.932,-1.298 6.602,-1.298 5.949,-0.645 5.949,0.421 6.501,0.973 6.501,2.599 6.095,3.006 6.095,3.308 5.688,3.714 4.717,3.714 U1.18
  Bottom Layer w0.254: v1(-6.54,6.983) -6.253,7.27 -2.917,7.27 1.607,2.746 2.803,2.746 v1(3.779,3.722) ; v1(-0.31,-11.032) 0.088,-11.43 0.758,-11.43 1.244,-10.945 v1(1.256,-10.945)
SW1: SW1.2 U1.19 | length 6.9
  Top Layer w0.254: U1.19 6.229,4.223 6.888,3.564 6.888,2.784 6.905,2.766 6.905,2.146 7.794,1.258 7.794,0.899 7.86,0.833 SW1.2@9.179,0.833
SW2: DZx1.3 SW1.4 | length 11.6
  Top Layer w0.254: v1(7.65,2.51) 7.973,2.833 SW1.4@9.179,2.833
  Bottom Layer w0.254: v1(7.65,2.51) 7.65,-1.531 7.383,-1.798 7.383,-5.826 7.817,-6.26 DZx1.3
SW2-KEY: DZx1.2 U1.15 | length 9.4
  Top Layer w0.254: v1(4.849,0.286) 4.861,0.286 5.218,0.643 5.6,0.643 6.097,1.14 6.097,1.953 5.836,2.214 5.629,2.214 U1.15@5.624,2.22
  Bottom Layer w0.254: v1(4.849,0.286) 4.849,-1.934 5.894,-2.98 5.894,-5.187 6.017,-5.31 DZx1.2
SW3: SW1.1 U1.14 | length 17.5
  Top Layer w0.254: U1.14 v1(5.621,1.723) U1.14@5.644,1.746 ; v1(6.426,-0.447) 10.101,-0.447 10.469,-0.079 11.71,1.162 11.71,6.243 11.135,6.818 SW1.1@9.179,6.818
  Bottom Layer w0.254: v1(5.621,1.723) 5.621,-0.151 5.808,-0.338 5.927,-0.338 6.036,-0.447 v1(6.426,-0.447)
SWCLK: typec.6 typec.8 U1.37 | length 16.7
  Top Layer w0.254: typec.8 -8.013,-5.545 -7.454,-5.545 -7.069,-5.159 v1(-7.069,-3.306) ; typec.6@-7.63,-4.574 -7.63,-4.561 -7.613,-4.545 -7.454,-4.545 -7.069,-4.159 v1(-7.069,-3.306) ; v1(-4.686,6.721) U1.37@-4.663,6.721 ; v1(-7.069,-3.306) -7.054,-3.291 v1(-7.069,-3.306)
  Bottom Layer w0.254: v1(-7.069,-3.306) -7.069,-2.53 -6.866,-2.327 -6.866,-0.624 -6.918,-0.573 -6.918,3.948 -7.069,4.099 -7.069,5.767 -6.124,6.713 -4.695,6.713 v1(-4.686,6.721)
SWDIO: typec.5 typec.7 U1.34 | length 20.2
  Top Layer w0.254: U1.34 -1.269,8.364 v1(-1.269,8.383)
  Bottom Layer w0.254: v1(-8.036,-5.068) v1(-8.036,-4.068) -8.036,-3.4 -7.488,-2.852 -7.488,-2.378 -7.27,-2.16 -7.27,-0.791 -7.322,-0.74 -7.322,3.781 -7.488,3.947 -7.488,8.136 -7.209,8.415 -4.294,8.415 -4.262,8.383 v1(-1.269,8.383)
Vbat+: BAT.2 C4.2 C35.2 C101.2 DS1.6 IC2.3 Q1.2 R41.2 U1.1 | length 64.3
  Top Layer w0.254: C101.2 -9.599,2.235 -9.599,3.29 -9.555,3.333 C35.2 -9.629,3.407 -9.629,5.489 -9.1,6.018 DS1.6 ; C101.2@-9.599,2.221 -8.655,2.221 -8.211,1.777 -7.857,1.777 -7.604,1.525 -7.604,0.004 -5.853,-1.747 -4.984,-1.747 v1@-4.963,-1.726 ; v1(-4.963,-1.747) v1@-4.963,-1.726 ; U1.1 -3.546,-1.531 -4.09,-1.531 -4.276,-1.717 -4.963,-1.717 v1@-4.963,-1.726
  Bottom Layer w0.254: v1(-4.963,-1.747) -4.963,-4.244 -4.722,-4.485 Q1.2 -4.031,-7.32 -3.177,-8.174 -2.467,-8.174 -1.888,-7.595 -1.24,-7.595 R41.2 -1.227,-7.583 -1.227,-8.833 C4.2 -1.23,-8.848 -0.914,-9.164 -0.855,-9.164 -0.706,-9.313 -0.706,-10.089 -0.855,-10.238 -0.965,-10.238 -0.996,-10.27 ; IC2.3 -1.569,-10.87 -0.996,-10.297 -0.855,-10.297 -0.283,-10.297 0.167,-10.747 0.779,-10.747 1.059,-10.468 1.454,-10.468 1.733,-10.747 1.733,-10.796 1.882,-10.945 1.961,-10.945 2.537,-11.521 2.611,-11.595 7.739,-11.595 ccw(c7.822,-11.355) 7.784,-11.606 cw(c7.634,-12.622) 7.9,-11.63 9.49,-11.63 10.315,-10.805 10.315,-4.854 10.249,-4.788 10.249,-3.148 9.196,-2.095 9.196,3.989 9.793,4.586 10.384,4.586 10.876,5.078 10.876,5.669 12.427,7.22 BAT.2@14.05,7.22
Vbin: C5.2 Q1.3 R13.2 V1.3 | length 24.4
  Bottom Layer w0.254: Q1.3 -3.772,-5.267 -3.649,-5.39 0.86,-5.39 1.364,-5.894 1.478,-5.894 2,-6.416 3.018,-6.416 3.641,-7.039 3.641,-7.543 3.79,-7.692 5.314,-7.692 5.513,-7.493 5.513,-6.855 5.662,-6.706 7.072,-6.706 7.221,-6.855 7.221,-8.428 7.253,-8.46 ; C5.2 0.2,-8.705 1.089,-8.705 1.964,-9.58 4.879,-9.58 5.837,-8.622 7.211,-8.622 7.253,-8.58 7.253,-8.46 ; R13.2 8.345,-8.58 7.373,-8.58 7.253,-8.46
pads on no net: BUZZER.3 DS1.4 IC4.2 IC4.3 IC4.4 IC4.5 IC4.6 IC4.7 IC4.14 IC4.15 IC4.16 IC4.17 IC4.19 IC4.21 IC4.22 IC4.25 SW1.5 SW1.6 SW1.7 SW1.8 typec.3 typec.4 typec.9 typec.10 typec.13 typec.14 typec.15 typec.16 U1.16 U1.21 U1.22 U1.26 U1.29 U1.39 U1.41 U1.42 U1.43 U1.45 U1.46
copper on no net:
  other v1: 4.88,7.943
  other v2: -11.49,-10.987 11.49,-10.987 -11.49,10.987 11.49,10.987

## Polygon pours and split planes (outlines as drawn)
GND on Bottom Layer "GND_L02_P002" (solid, remove dead copper, pour order 2): -18.748,18.402 -18.748,-16.158 19.29,-16.158 20.72,-16.158 20.721,17.6 20.72,18.402
GND on Top Layer "GND_L01_P000" (solid, remove dead copper, pour order 0): -17.43,18.025 -17.43,-16.644 4.162,-16.644 20.964,-16.644 20.964,-2.895 20.964,-1.435 20.964,18.025

## Keep-outs
Keep-Out Layer:
  lines w0.1: -14.842,-0.107 -14.842,9.702 ; -14.842,9.662 cw(c-12.182,9.68) -12.679,12.293 ccw(c-13.847,20.666) -10.784,12.786 ccw(c-11.694,15.218) -9.599,13.684 cw(c-6.428,10.986) -7.115,15.093 ; -14.838,-9.447 ccw(c-12.178,-9.465) -12.676,-12.079 cw(c-13.844,-20.451) -10.78,-12.572 cw(c-11.691,-15.004) -9.596,-13.47 ccw(c-6.425,-10.771) -7.112,-14.878 ; -7.115,15.083 7.132,15.083 cw(c6.445,10.976) 9.616,13.674 ccw(c11.711,15.208) 10.8,12.776 ccw(c13.864,20.656) 12.696,12.283 cw(c12.198,9.67) 14.858,9.652 ; -7.112,-14.888 7.132,-14.888 ; 7.132,-14.884 ccw(c6.445,-10.778) 9.616,-13.476 ; 7.531,13.413 -7.62,13.413 ccw(c-7.62,12.713) -7.62,12.013 7.621,12.013 ; 7.561,12.013 ccw(c7.561,12.713) 7.561,13.413 ; 7.604,-11.922 -7.547,-11.922 ccw(c-7.547,-12.622) -7.547,-13.322 7.694,-13.322 ; 7.634,-13.322 ccw(c7.634,-12.622) 7.634,-11.922 ; 9.619,-13.475 cw(c11.714,-15.009) 10.803,-12.577 cw(c13.866,-20.456) 12.698,-12.084 ; 12.696,-12.085 ccw(c12.198,-9.472) 14.858,-9.454 14.858,9.872

## Other copper
Top Layer:
  pour cut-out: -12.827,-11.027 ccw(c-11.474,-11.027) -11.474,-12.38 ccw(c-11.474,-11.027) -10.121,-11.027 ccw(c-11.474,-11.027) -11.474,-9.674 ccw(c-11.474,-11.027)
  pour cut-out: 10.199,-11.138 ccw(c11.552,-11.138) 11.552,-12.491 ccw(c11.552,-11.138) 12.905,-11.138 ccw(c11.552,-11.138) 11.552,-9.785 ccw(c11.552,-11.138)
Bottom Layer:
  pour cut-out: -12.827,-11.017 ccw(c-11.474,-11.017) -11.474,-12.37 ccw(c-11.474,-11.017) -10.121,-11.017 ccw(c-11.474,-11.017) -11.474,-9.664 ccw(c-11.474,-11.017)
  pour cut-out: 10.199,-11.138 ccw(c11.552,-11.138) 11.552,-12.491 ccw(c11.552,-11.138) 12.905,-11.138 ccw(c11.552,-11.138) 11.552,-9.785 ccw(c11.552,-11.138)

## Silkscreen, mask and mechanical layers (free items; w line width, h text height)
Top Overlay:
  text "GoWatch" at 13.006,1.237 h0.6 r90
  text "GoWatch" at -6.795,-14.687 h0.8
Bottom Overlay:
  text "GoWatch" at 2.33,13.753 h0.6
  text "-" at -4.16,9.963 h0.8 r180
  text "3v3" at -5.44,9.96 h0.8 r92.07
  text "5v" at -7.05,9.81 h0.8 r90
  text "SCL" at -1.06,9.81 h0.8 r90
  text "SDA" at 0.29,9.81 h0.8 r90
  text "ESP TXD" at 1.64,9.81 h0.8 r90
  text "ESP RXD" at 3,9.81 h0.8 r90
  text "RX" at 6.12,9.81 h0.8 r90
  text "TX" at 7.51,9.81 h0.8 r90
  text "GND" at 9.27,9.83 h0.8 r90
  text "+" at -2.167,9.693 h0.8 r90
  text "GND" at 13.04,8.4 h0.8
  text "VBat+" at 13.1,6.98 h0.8
  text "2" at 0.81,1.333 h2
  text "1" at 1.149,1.34 h2
  text "Designed by life" at 6.861,-14.778 h0.8
Top Paste:
  lines w0.1: -14.889,-13.157 -14.889,-9.447
  lines w0.254: -11.49,0 11.49,0 ; -11.49,10.987 -11.49,-10.987 11.49,-10.987 11.49,10.987 -11.354,10.987 ; 0,-10.987 0,10.963
Top Solder:
  text "GoWatch" at -6.775,-14.687 h0.8
Mechanical 1:
  drawing of 211 lines, arcs and shapes, not listed